# Altium PCB PCB.PcbDoc (part 1 of 10)
Units mm, origin at the board's own origin, x right, y up, seen from the top; angles counter-clockwise.
Board outline 25 x 25 mm, 10 copper layers (Top Layer, bu3, bu2, bu1, Core1, Core1b, bu1b, bu2b, bu3b, Bottom Layer), stack 1.2 mm thick; 43 components, 310 nets, 1945 pads, 12307 vias.
Unrouted connection lines stored in the file: 68.
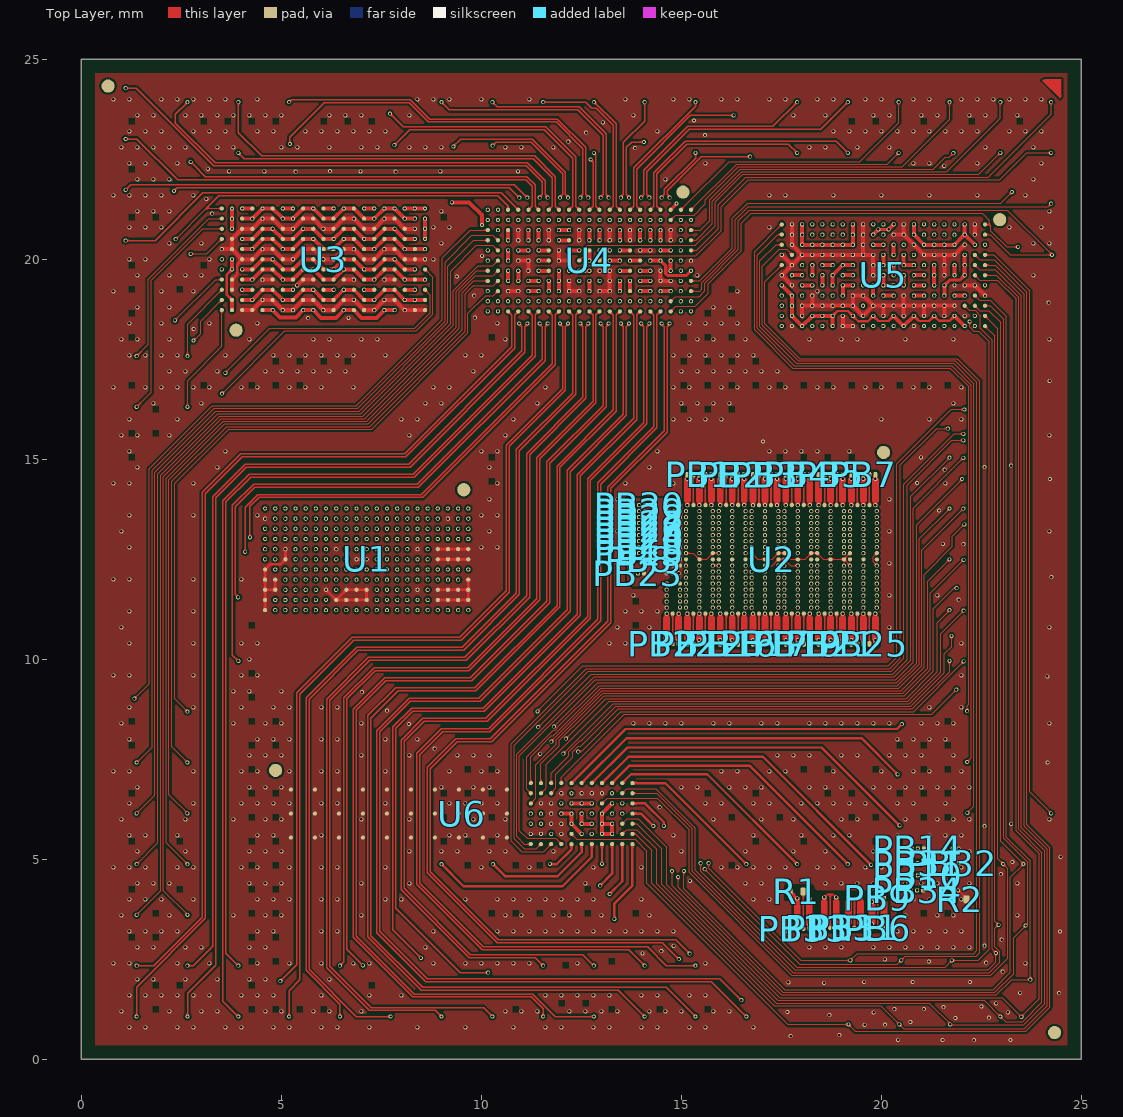
[diagram p0: Top Layer view]
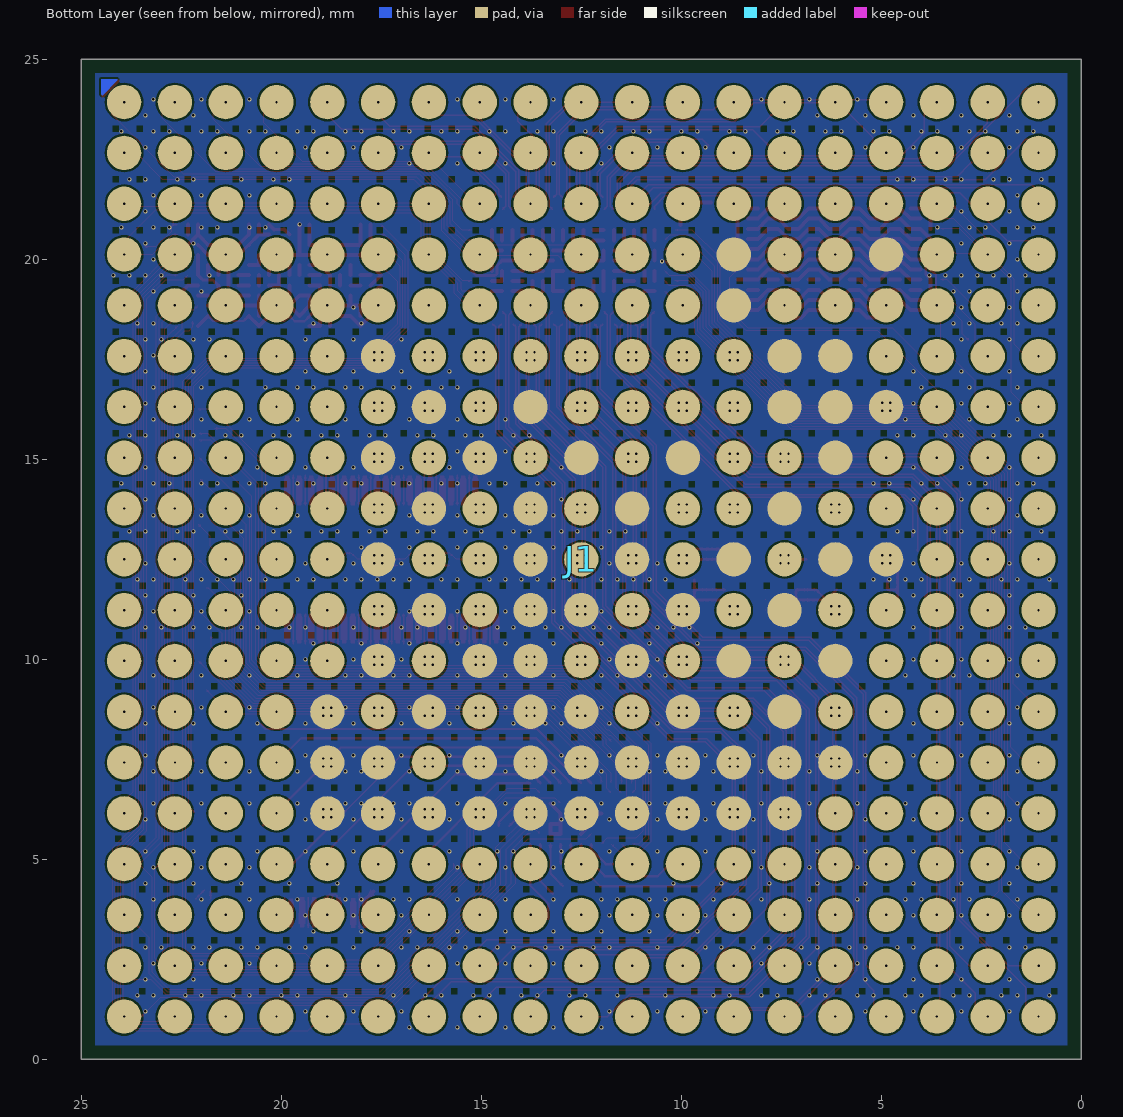
[diagram p1: Bottom Layer view, seen from below]
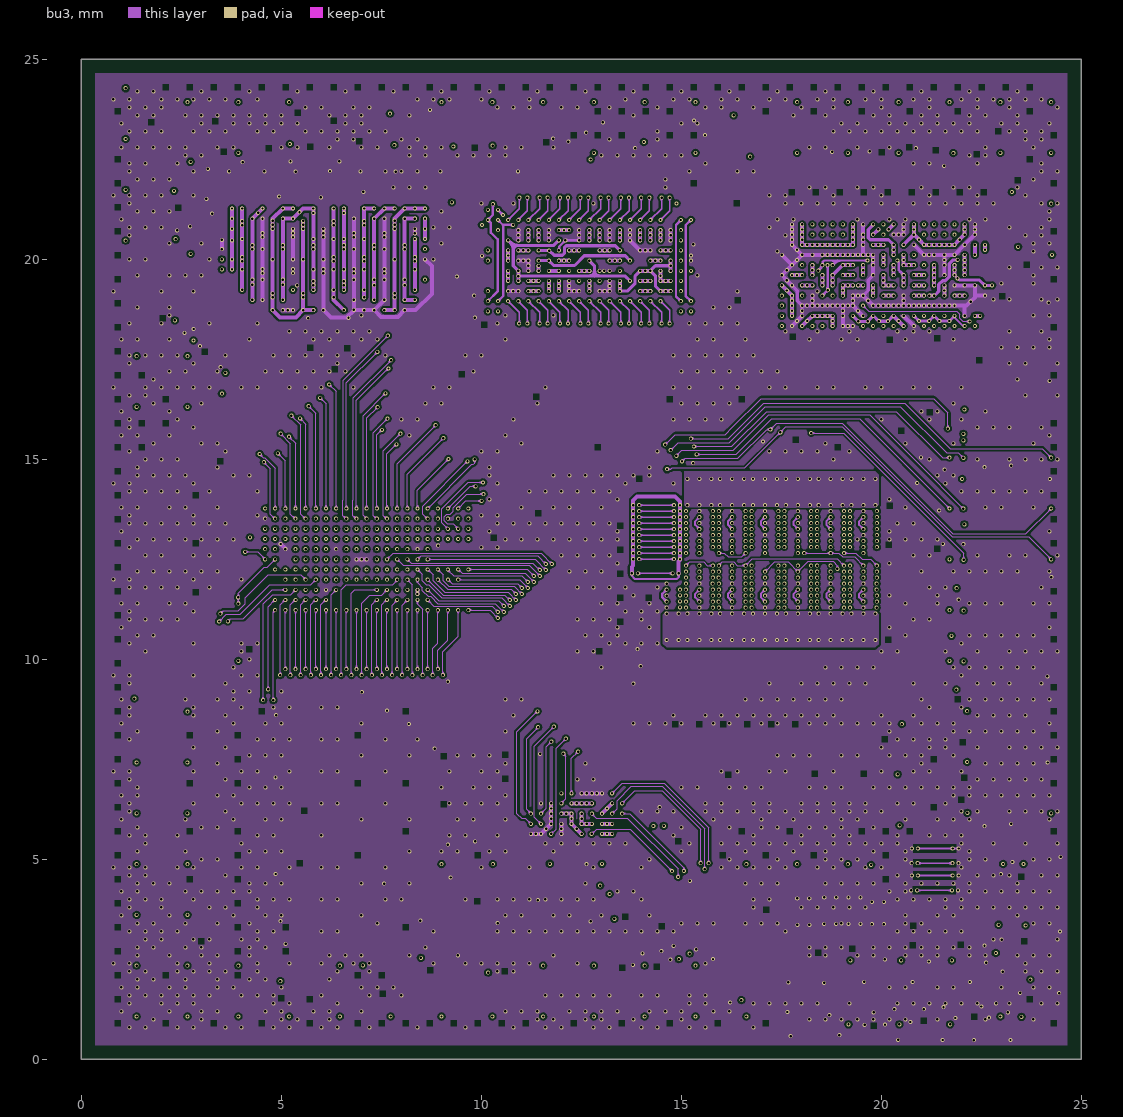
[diagram p2: bu3]
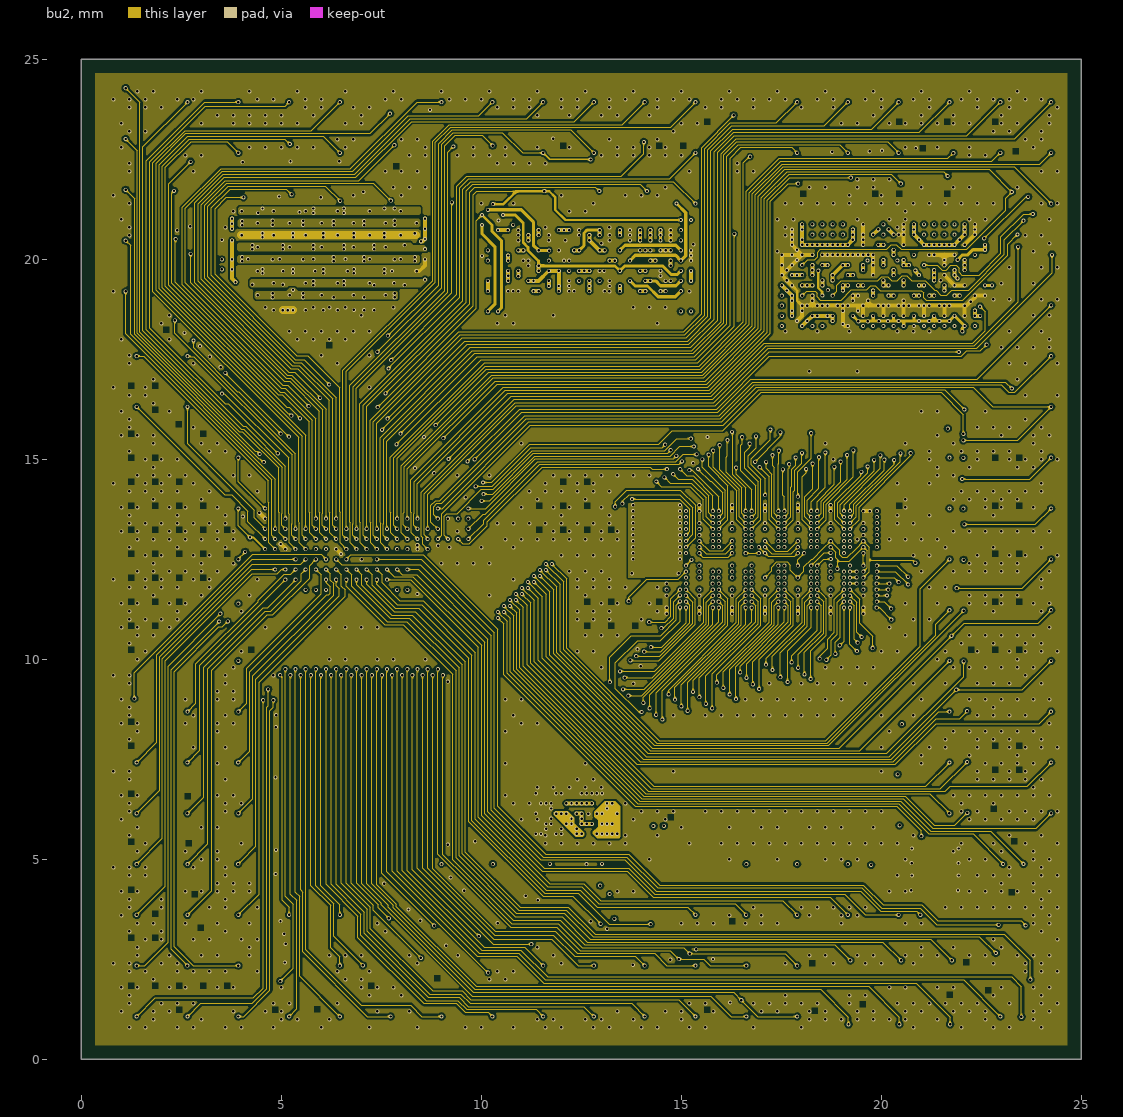
[diagram p3: bu2]
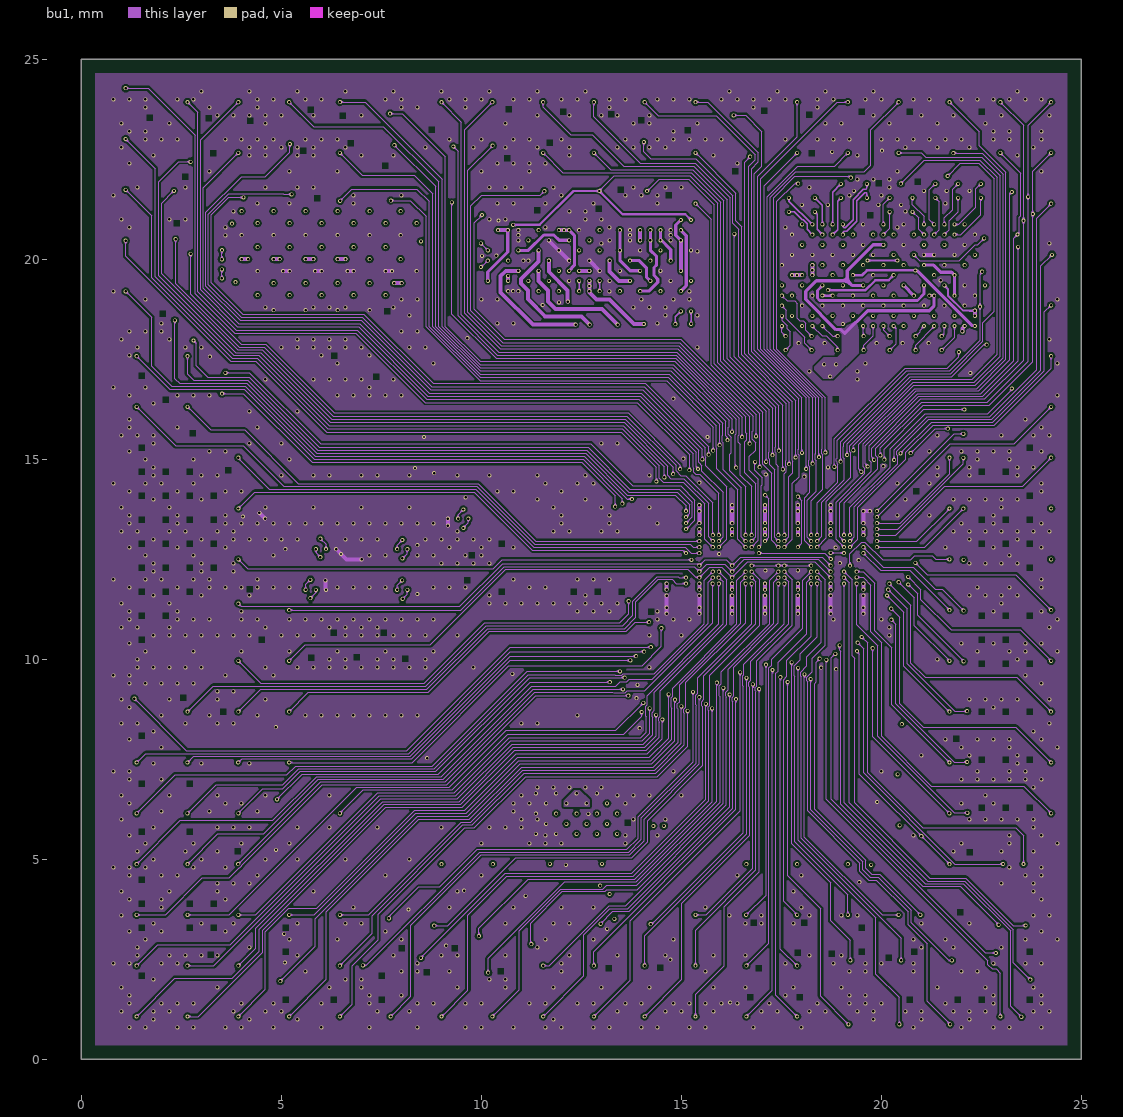
[diagram p4: bu1]
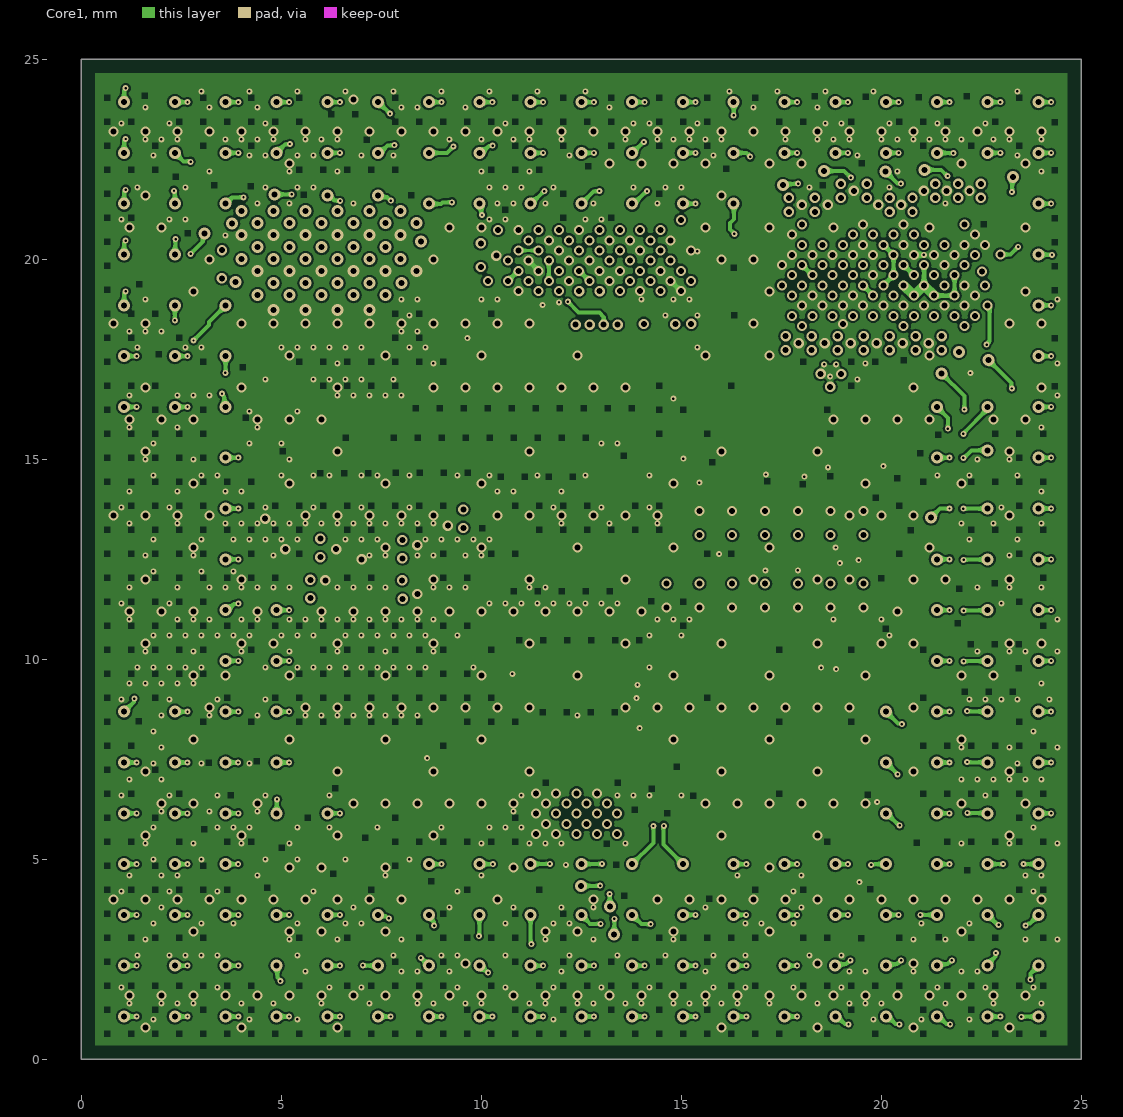
[diagram p5: Core1]
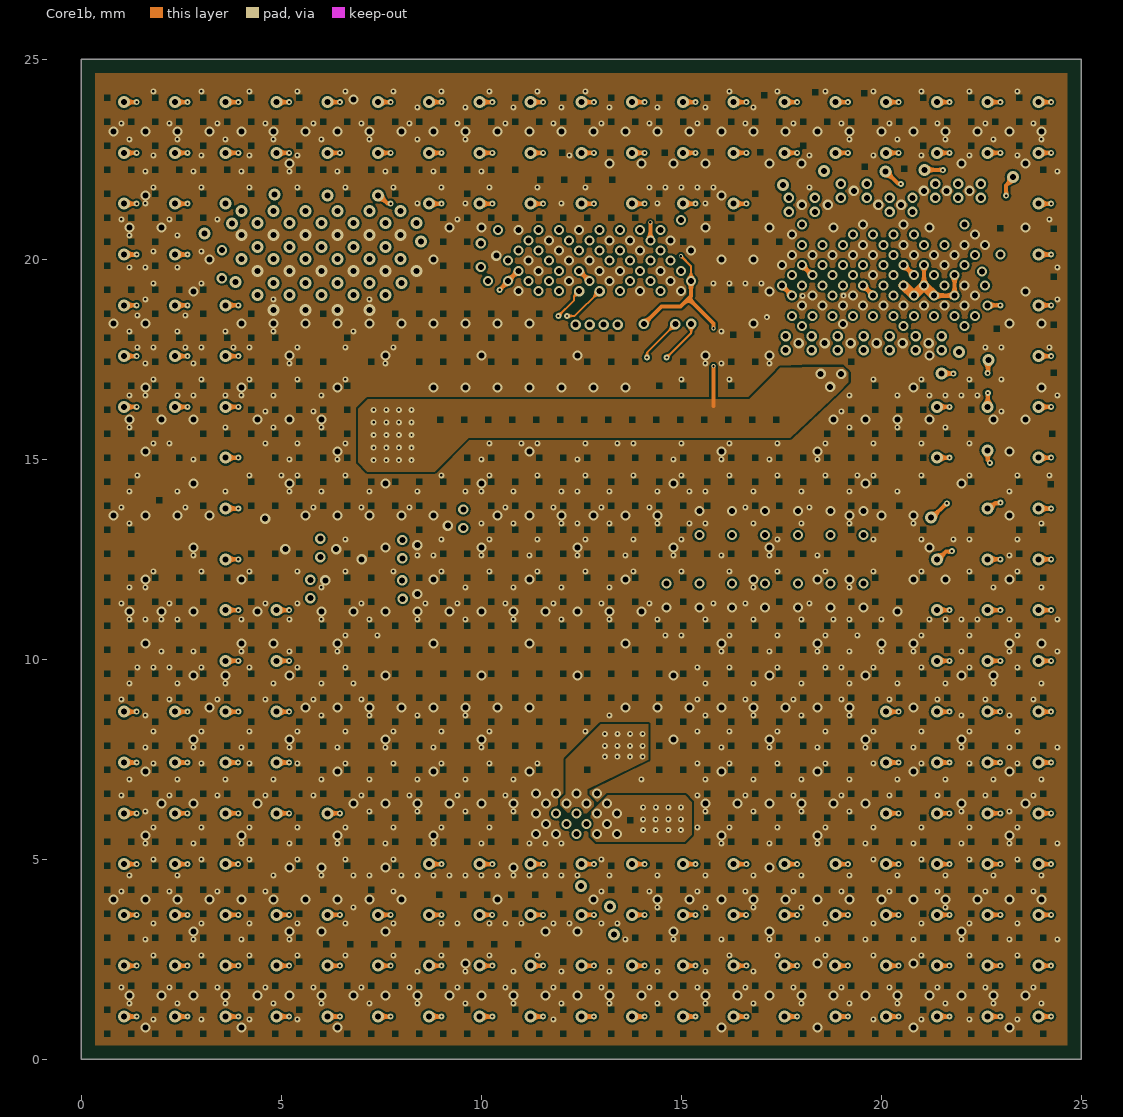
[diagram p6: Core1b]
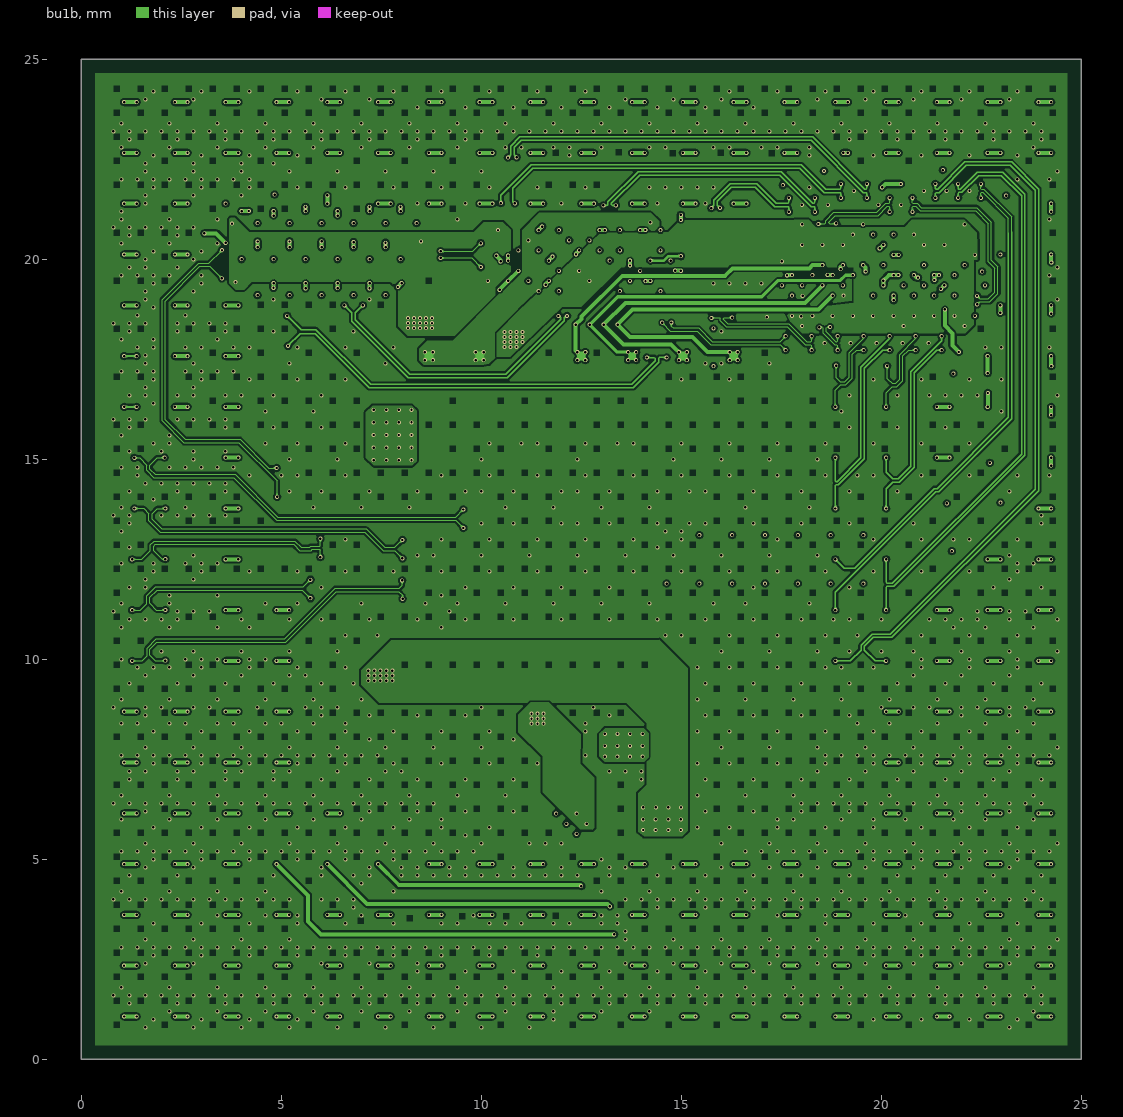
[diagram p7: bu1b]
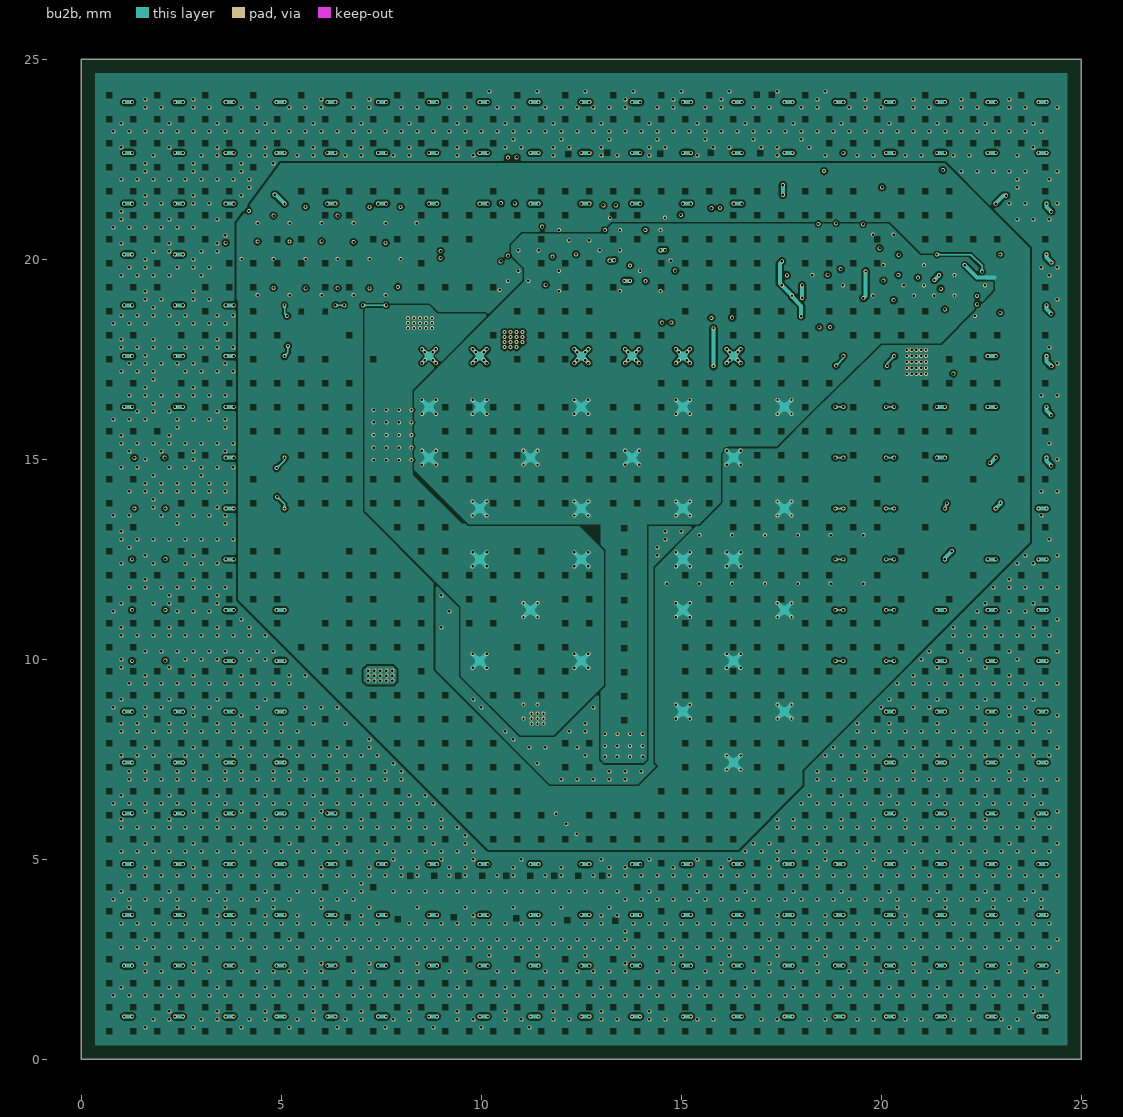
[diagram p8: bu2b]
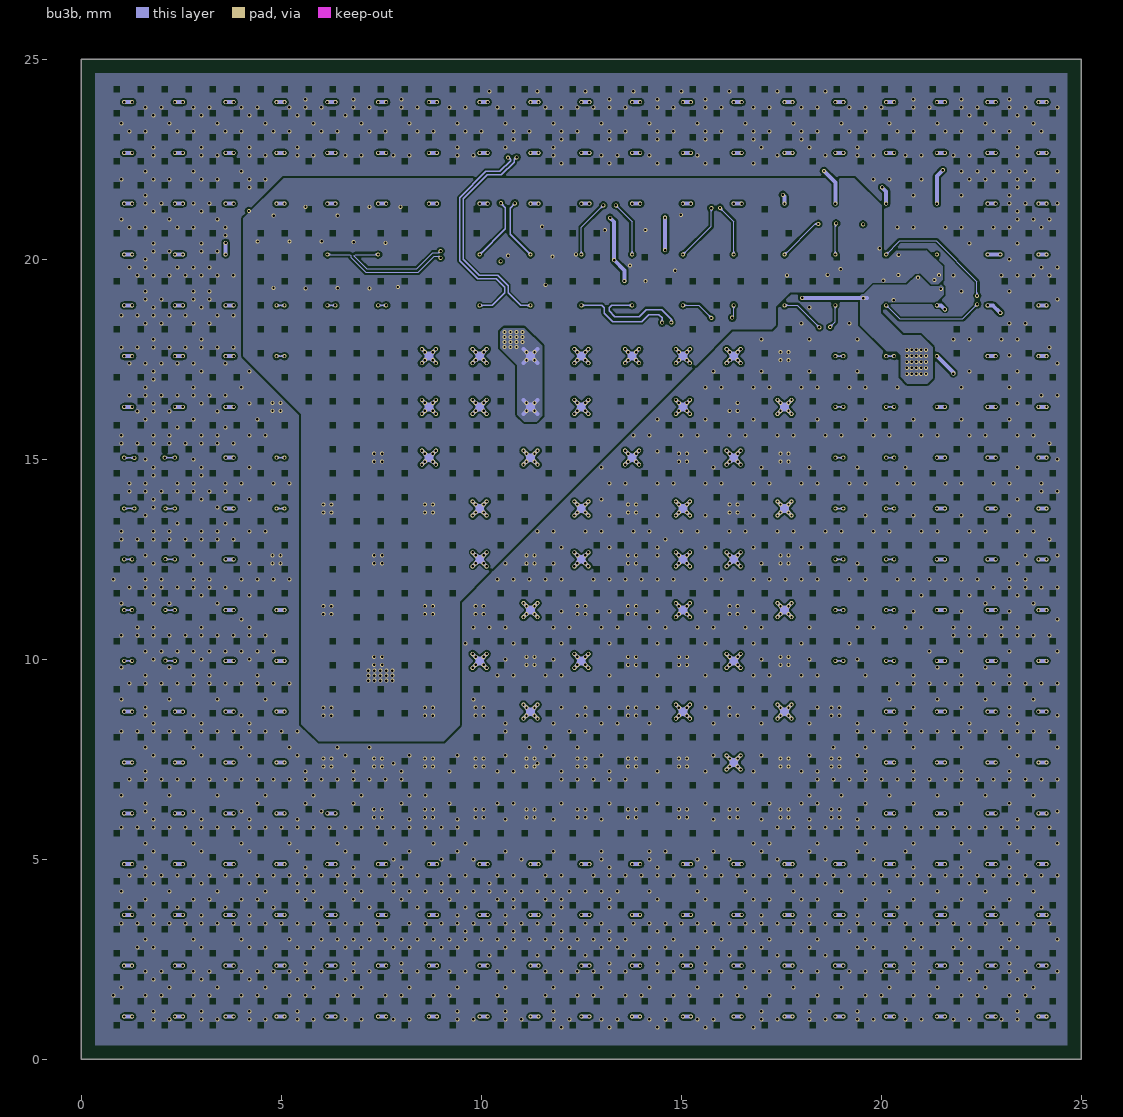
[diagram p9: bu3b]

## Layer stack, top to bottom
Top Solder: solder mask 0.015, Solder Resist, Dk 3.5
Top Layer: signal copper 0.015
Dielectric 1: prepreg 0.03, PP-006, Dk 4.1
bu3: signal copper 0.015
Dielectric 3: prepreg 0.03, PP-006, Dk 4.1
bu2: signal copper 0.015
Dielectric 7: prepreg 0.03, PP-006, Dk 4.1
bu1: signal copper 0.015
Dielectric 5: prepreg 0.03, PP-006, Dk 4.1
Core1: signal copper 0.02
Core: dielectric 0.8, FR-4, Dk 4.8
Core1b: signal copper 0.02
Dielectric 6: prepreg 0.03, PP-006, Dk 4.1
bu1b: signal copper 0.015
Dielectric 8: prepreg 0.03, PP-006, Dk 4.1
bu2b: signal copper 0.015
Dielectric 4: prepreg 0.03, PP-006, Dk 4.1
bu3b: signal copper 0.015
Dielectric 2: prepreg 0.03, PP-006, Dk 4.1
Bottom Layer: signal copper 0.015
Bottom Solder: solder mask 0.015, Solder Resist, Dk 3.5

## Board outline
0,0 0,25 25,25 25,0

## Design rules (kind name [scope] priority, off if disabled: settings)
AcuteAngle [All] p1 off: minimum=4.50000000000000E+0001 checktracksonly=FALSE
Clearance Clearance_polygons [InPolygon] p1: gap=0 ignorepadtopadclearanceinfootprint=FALSE except(0.025: Arc-Arc Arc-Track Arc-SMDPad Arc-THPad Arc-Via Track-Track Track-SMDPad Track-THPad Track-Via SMDPad-SMDPad; 0.05: Arc-Fill Arc-Poly Arc-Region Track-Fill Track-Poly Track-Region SMDPad-Fill SMDPad-Poly SMDPad-Region Via-Fill Via-Poly Via-Region Fill-Fill Fill-Poly Fill-Region Poly-Poly Poly-Region Region-Region)
Clearance Clearance_buildup_samenet [All] p2: gap=0 ignorepadtopadclearanceinfootprint=FALSE except(0.025: Track-Track Track-SMDPad Track-THPad Track-Via SMDPad-SMDPad; 0.05: Track-Fill Track-Poly SMDPad-Fill SMDPad-Poly)
Clearance Clearance_core [OnLayer('Core*') vs OnLayer('Core*')] p3: gap=0 ignorepadtopadclearanceinfootprint=FALSE except(0.025: Track-SMDPad Track-THPad SMDPad-SMDPad; 0.05: Track-Track Track-Via Track-Fill Track-Poly SMDPad-Fill SMDPad-Poly Via-Poly Poly-Poly)
Clearance Clearance_buildup [OnLayer('Top Layer') or OnLayer('Bottom Layer') or OnLayer('bu*') vs OnLayer('Top Layer') or OnLayer('Bottom Layer') or OnLayer('bu*')] p4: gap=0 ignorepadtopadclearanceinfootprint=FALSE except(0.025: Arc-Arc Arc-Track Arc-SMDPad Arc-THPad Arc-Via Track-Track Track-SMDPad Track-THPad Track-Via SMDPad-SMDPad; 0.03: Track-Region SMDPad-Region Via-Via; 0.05: Arc-Fill Arc-Poly Arc-Region Track-Fill Track-Poly SMDPad-Fill SMDPad-Poly Via-Poly Via-Region Poly-Poly; 0.07: Via-Hole)
Clearance Clearance_default [All] p5: gap=0 ignorepadtopadclearanceinfootprint=FALSE except(0.025: Track-Track Track-SMDPad Track-THPad Track-Via SMDPad-SMDPad; 0.05: Track-Fill Track-Poly SMDPad-Fill SMDPad-Poly Via-Poly)
DiffPairsRouting [All] p1: maxlimit=0.1 minlimit=0.03 mostfreqgap=0.05 toplayer_minwidth=0.025 toplayer_maxwidth=0.035 toplayer_prefwidth=0.03 midlayer1_minwidth=0.025 midlayer1_maxwidth=0.035 midlayer1_prefwidth=0.03 midlayer2_minwidth=0.025 midlayer2_maxwidth=0.035 midlayer2_prefwidth=0.03 midlayer3_minwidth=0.025 midlayer3_maxwidth=0.035 midlayer3_prefwidth=0.03 midlayer4_minwidth=0.025 midlayer4_maxwidth=0.035 midlayer4_prefwidth=0.03 midlayer5_minwidth=0.025 midlayer5_maxwidth=0.035 midlayer5_prefwidth=0.03 midlayer6_minwidth=0.025 midlayer6_maxwidth=0.035 midlayer6_prefwidth=0.03 midlayer7_minwidth=0.025 midlayer7_maxwidth=0.035 midlayer7_prefwidth=0.03 midlayer8_minwidth=0.025 midlayer8_maxwidth=0.035 midlayer8_prefwidth=0.03 bottomlayer_minwidth=0.025 bottomlayer_maxwidth=0.035 bottomlayer_prefwidth=0.03 maxuncoupledlength=12.7
HoleSize [All] p1: absolutevalues=TRUE maxlimit=2.54 minlimit=0.06 maxpercent=80.000 minpercent=20.000
HoleToHoleClearance HoleToHoleClearance__ThruCore [InDrillLayerPair('Core1 - Core1b') vs InDrillLayerPair('Core1 - Core1b')] p1: gap=0.15 allowstackedmicrovias=TRUE
HoleToHoleClearance HoleToHoleClearance__BU [All] p2: gap=0.04 allowstackedmicrovias=TRUE
MinimumAnnularRing [OnLayer('Core1') or OnLayer('Core1b')] p1: minimumring=0.05
MinimumSolderMaskSliver [All] p1: minsoldermaskwidth=0
PlaneClearance [All] p1: clearance=0.05
PlaneConnect [All] p1: planeconnectstyle=Direct reliefexpansion=0.508 reliefentries=4 reliefconductorwidth=0.254 reliefairgap=0.254
PolygonConnect [IsPoly and OnBottomLayer vs IsPad] p1 off: connectstyle=Relief reliefconductorwidth=0.07 reliefentries=4 polygonreliefangle="90 Angle" airgapwidth=0.035
PolygonConnect PolygonConnectTop [All] p2: connectstyle=Direct reliefconductorwidth=0.254 reliefentries=4 polygonreliefangle="90 Angle" airgapwidth=0.254
RoutingVias [All] p1: holewidth=0.05 width=0.1 viastyle="Through Hole" minholewidth=0.05 minwidth=0.1 maxholewidth=0.711 maxwidth=1.27
SolderMaskExpansion SolderMaskExpansion_Via [IsVia] p1: expansion=0 istentingtop=FALSE
SolderMaskExpansion [All] p2: expansion=101 istentingtop=FALSE
Width "All Layer Routing Width" [All] p1: maxlimit=10 minlimit=0.025 preferedwidth=0.05 toplayer_prefwidth=0.03 midlayer1_prefwidth=0.03 midlayer2_minwidth=0.05 midlayer3_minwidth=0.05 midlayer4_prefwidth=0.03 midlayer5_prefwidth=0.03 midlayer6_prefwidth=0.03 midlayer7_prefwidth=0.03 midlayer8_prefwidth=0.03 bottomlayer_prefwidth=0.03 minimp=50.000000 maximp=50.000000 favimp=50.000000
24 further rules are at their usual default settings.

## Classes and differential pairs
net class Power: AVDD AVDD2 DVDD GND_TEST_NORTH GND_TEST_SOUTH GND_TEST_WEST HVDD sig_C10 sig_C11 TXVDD VDD VPD VREF0 VREF1 VREF2 VSS
differential pair us__rx_out_14: +us__rx_out_14_p -us__rx_out_14_n
differential pair us__rx_out_13: +us__rx_out_13_p -us__rx_out_13_n
differential pair us__rx_out_12: +us__rx_out_12_p -us__rx_out_12_n
differential pair us__rx_out_11: +us__rx_out_11_p -us__rx_out_11_n
differential pair us__rx_out_10: +us__rx_out_10_p -us__rx_out_10_n
differential pair us__rx_out_9: +us__rx_out_9_p -us__rx_out_9_n
differential pair us__rx_out_8: +us__rx_out_8_p -us__rx_out_8_n
differential pair us__rx_out_7: +us__rx_out_7_p -us__rx_out_7_n
differential pair us__rx_out_5: +us__rx_out_5_p -us__rx_out_5_n
differential pair us__rx_out_4: +us__rx_out_4_p -us__rx_out_4_n
differential pair us__rx_out_3: +us__rx_out_3_p -us__rx_out_3_n
differential pair us__rx_out_1: +us__rx_out_1_p -us__rx_out_1_n
differential pair us__CML_clk: +us__CML_clk_p -us__CML_clk_n
differential pair us__rx_out_0: +us__rx_out_0_p -us__rx_out_0_n
differential pair us__rx_out_2: +us__rx_out_2_p -us__rx_out_2_n
differential pair us__rx_out_6: +us__rx_out_6_p -us__rx_out_6_n
differential pair BL__mri_rf_lo: +BL__mri_rf_lo_p -BL__mri_rf_lo_n
differential pair BL__cml_out: +BL__cml_out_1 -BL__cml_out_2
differential pair BL__hs_clk: +BL__hs_clk_p -BL__hs_clk_n
differential pair fpa_hs_clk: +fpa__hs_clk_p -fpa__hs_clk_n
differential pair equip_E30: +equip__PulseCurver_Anode_v_E30 -equip__PulseCurver_Cathode_v_E30
differential pair equip_E26: +equip__PulseCurver_Anode_v_E26 -equip__PulseCurver_Cathode_v_E26
differential pair equip_E20: +equip__PulseCurver_Anode_v_E20 -equip__PulseCurver_Cathode_v_E20
differential pair equip_E12: +equip__PulseCurver_Anode_v_E12 -equip__PulseCurver_Cathode_v_E12
differential pair equip_E5: +equip__PulseCurver_Anode_v_E5 -equip__PulseCurver_Cathode_v_E5
